# Altium PCB STM32F207VC.PcbDoc (part 1 of 16)
Units mm, origin at the board's own origin, x right, y up, seen from the top; angles counter-clockwise.
Board outline 99.19 x 99.95 mm, 2 copper layers (Top Layer, Bottom Layer); 127 components, 125 nets, 570 pads, 172 vias.
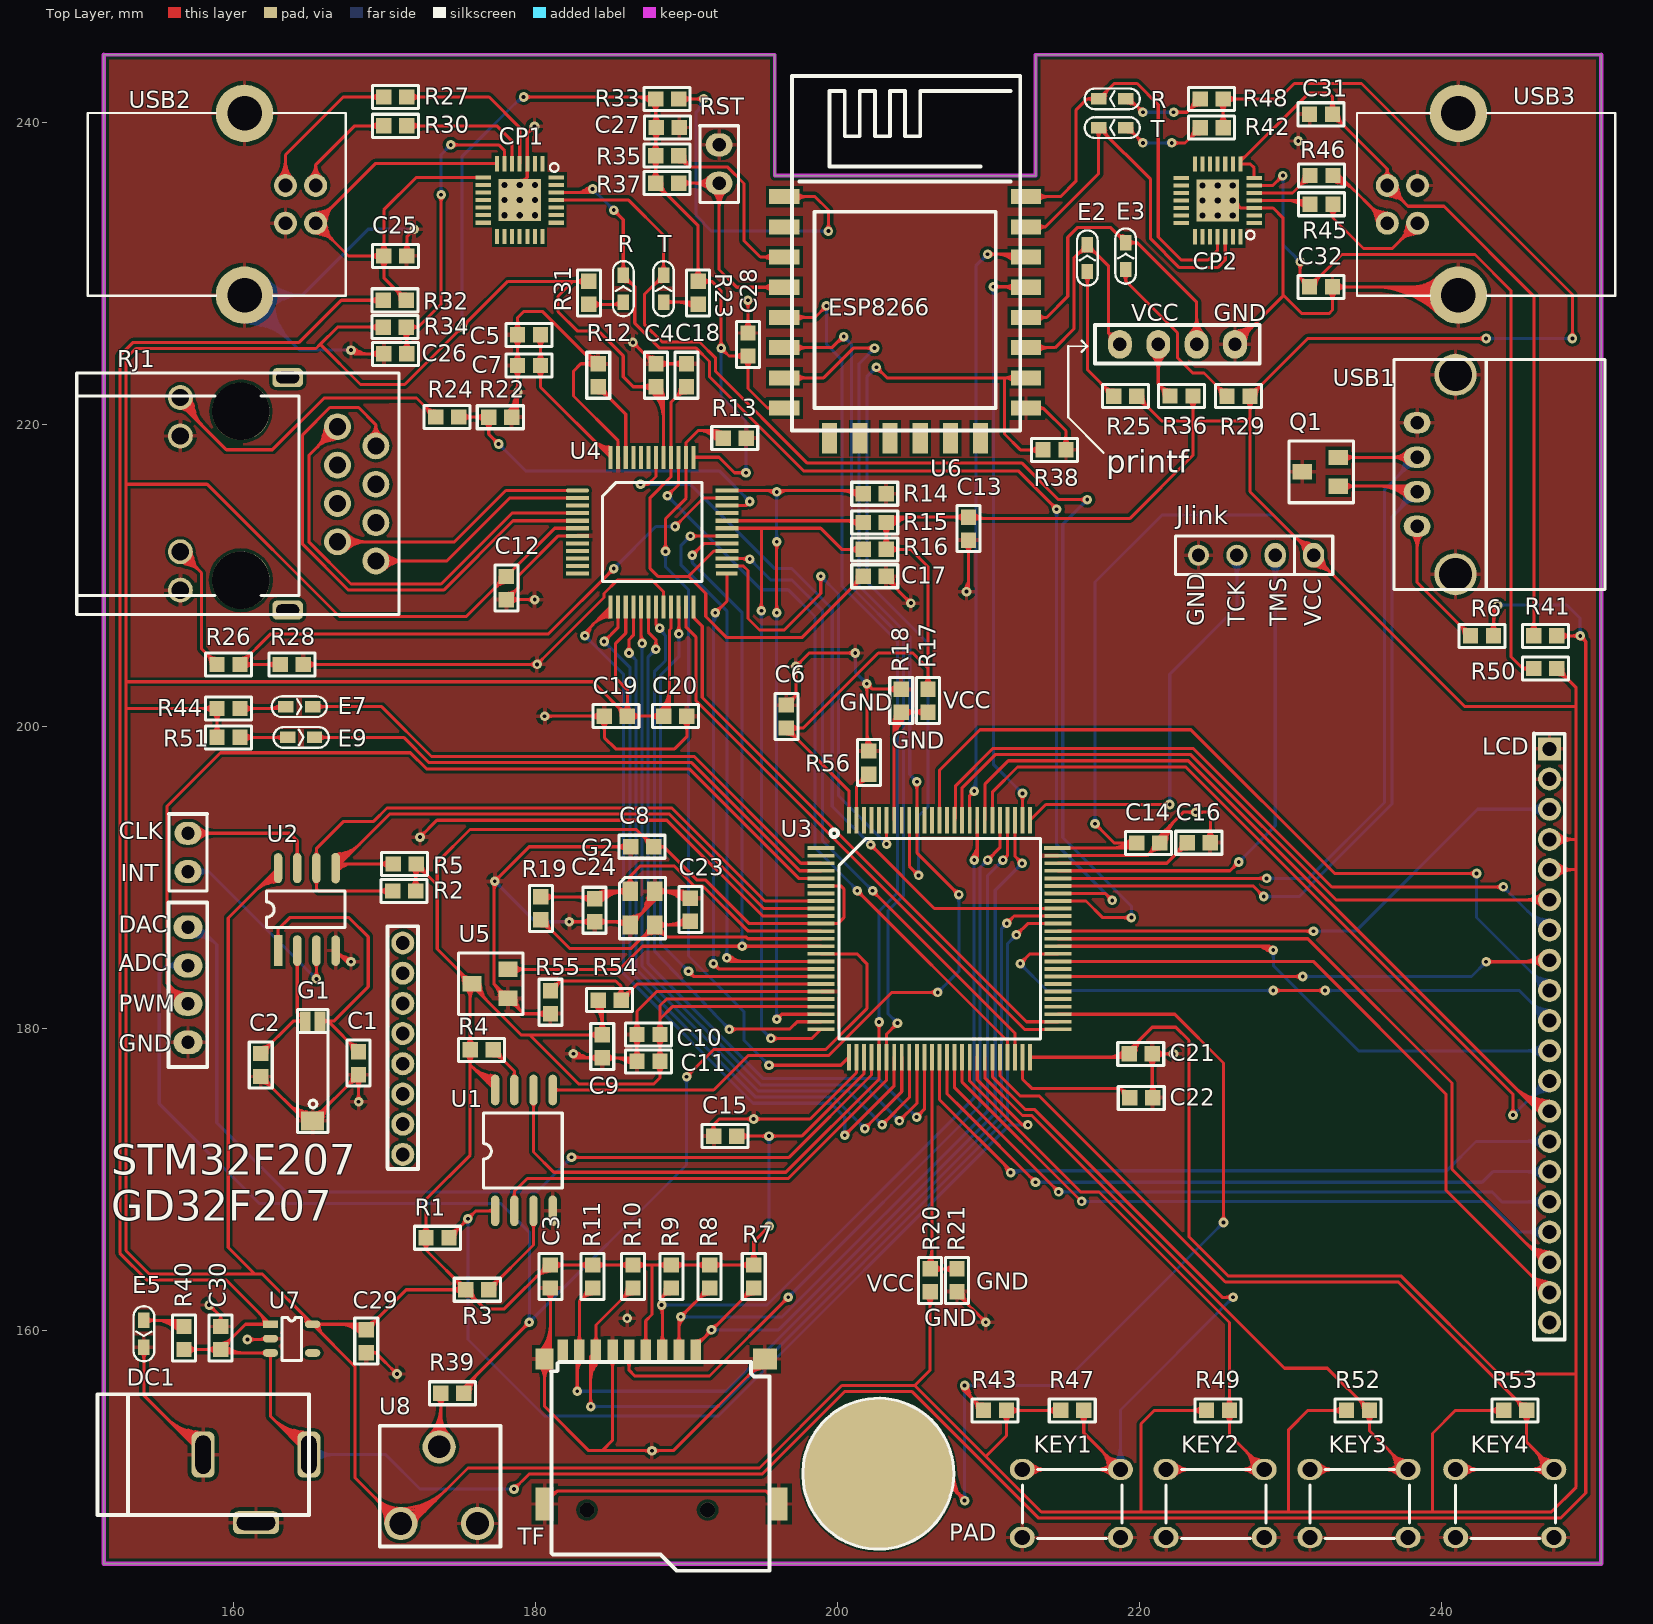
[diagram p0: Top Layer view]
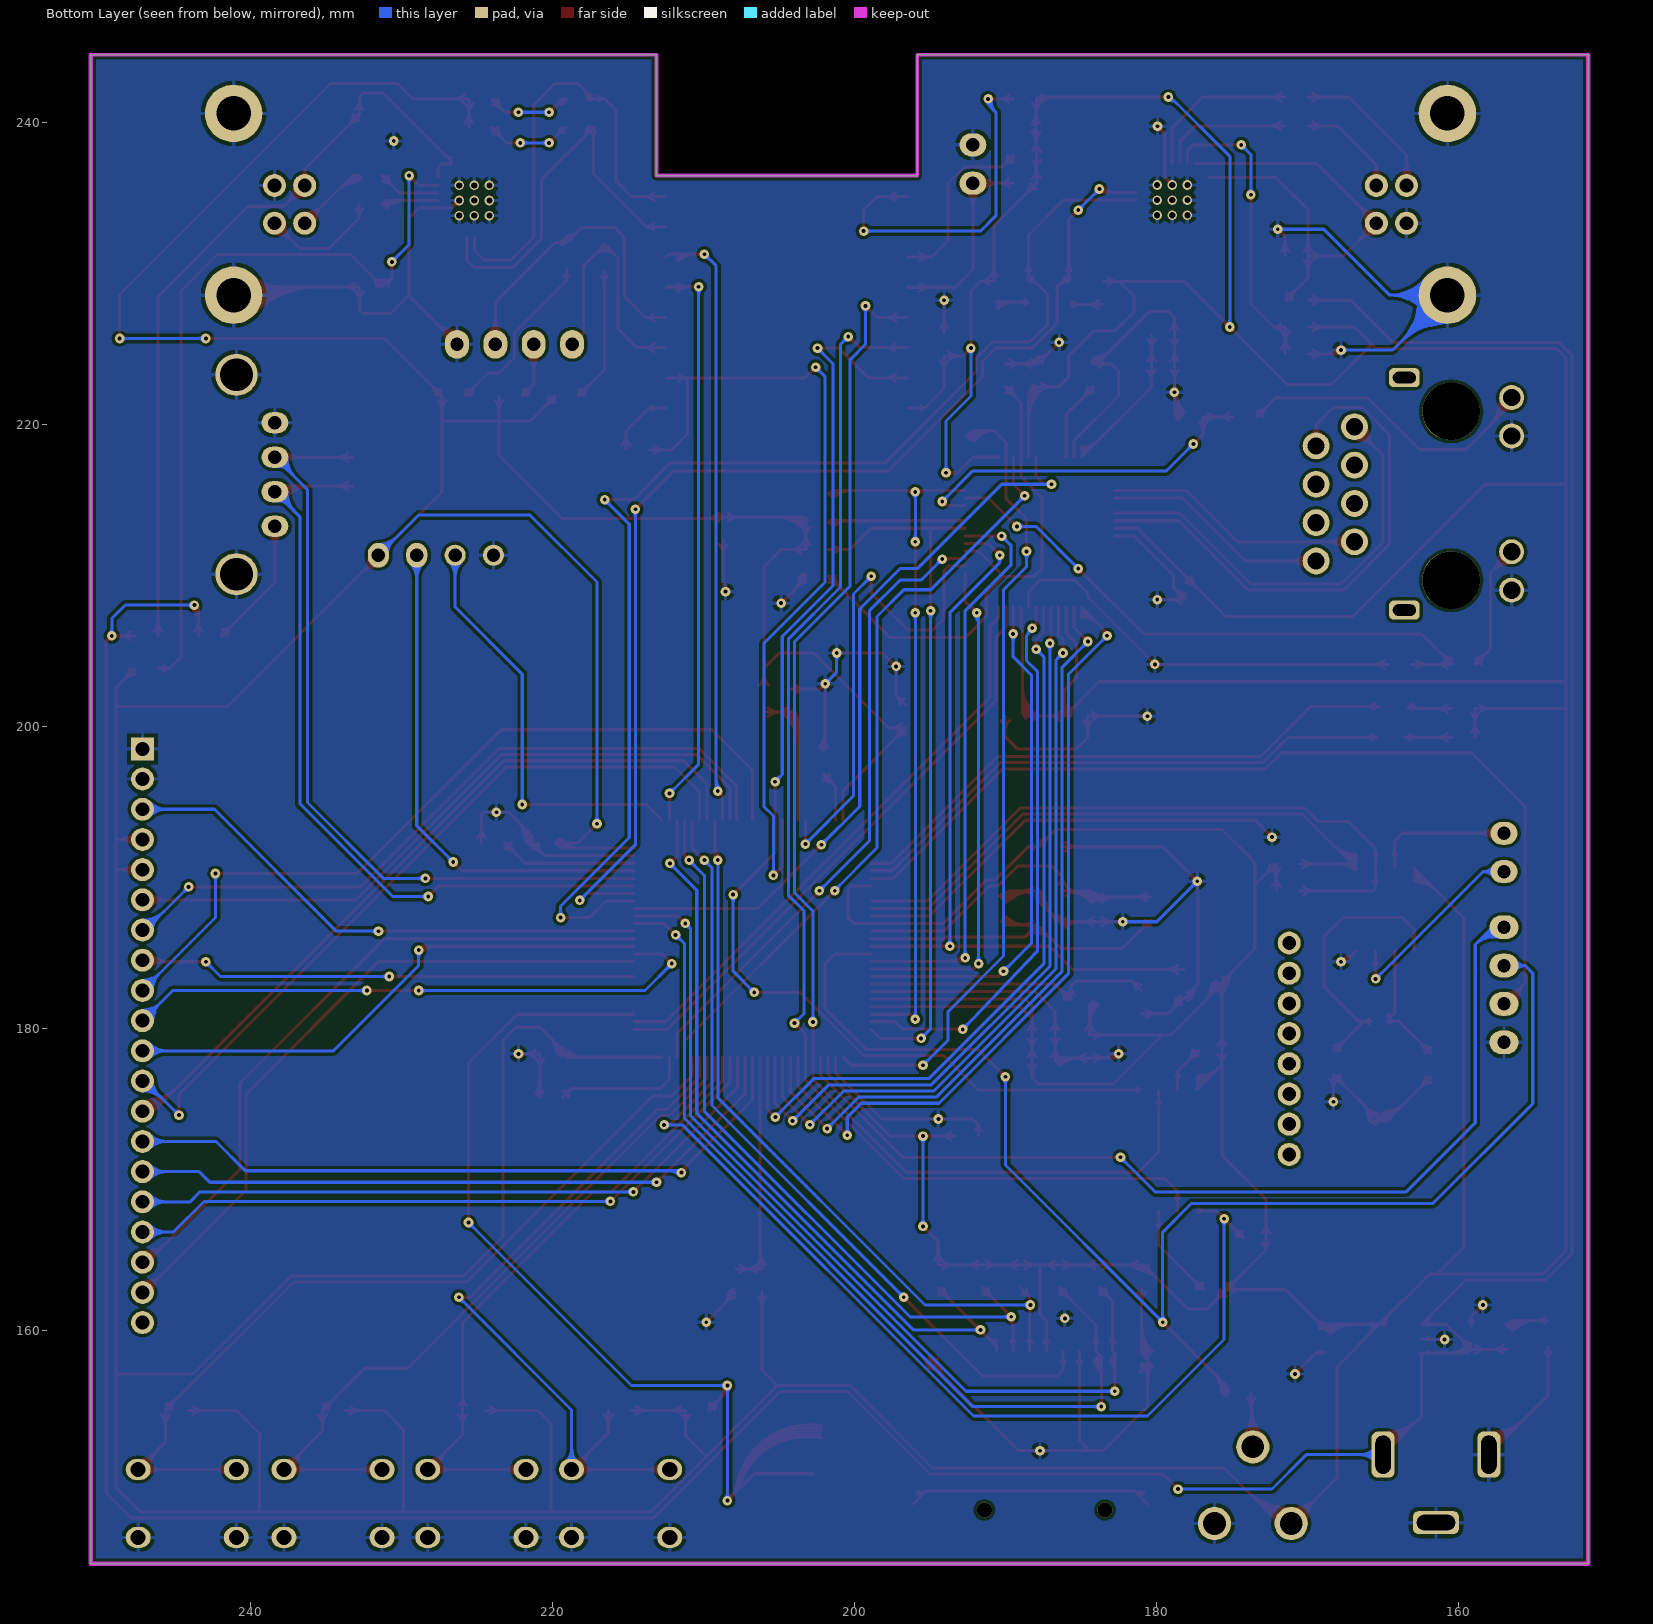
[diagram p1: Bottom Layer view, seen from below]

## Layer stack, top to bottom
Top Solder: solder mask 0.0102, Solder Resist, Dk 3.5
Top Layer: signal copper 0.0356
Dielectric1: dielectric 0.32, FR-4, Dk 4.8
Bottom Layer: signal copper 0.0356
Bottom Solder: solder mask 0.0102, Solder Resist, Dk 3.5

## Board outline
151.384,144.526 151.384,244.475 195.834,244.475 195.834,236.474 213.106,236.474 213.106,244.475 250.571,244.475 250.571,144.526

## Design rules (kind name [scope] priority, off if disabled: settings)
Clearance [All] p1: gap=0.203 ignorepadtopadclearanceinfootprint=FALSE except(0: Arc-Hole Track-Hole SMDPad-Hole THPad-Hole Via-Hole Fill-Hole Poly-Hole Region-Hole Text-Hole)
PolygonConnect [All] p1: connectstyle=Relief reliefconductorwidth=0.254 reliefentries=4 polygonreliefangle="90 Angle" airgapwidth=0.254
RoutingVias [All] p1: holewidth=0.2 width=0.5 viastyle="Through Hole" minholewidth=0.711 minwidth=1.27 maxholewidth=0.711 maxwidth=1.27
SolderMaskExpansion [All] p1: expansion=0.102 istentingtop=FALSE
Width [All] p1: maxlimit=0.203 minlimit=0.203 preferedwidth=0.203
30 further rules are at their usual default settings.

## Classes and differential pairs
component class STM32F207-Board: C1 C2 C3 C4 C5 C6 C7 C8 C9 C10 C11 C12 C13 C14 C15 C16 C17 C18 C19 C20 C22 C23 C24 C25 C26 C27 C28 C29 C30 C31 C32 CLK CP1 CP2 DAC DC1 E2 E3 E5 E7 E9 G1 G2 Jlink KEY1 KEY2 KEY3 KEY4 LCD PAD printf Q1 R R1 R2 R3 R4 R5 R6 R7 R8 R9 R10 R11 R12 R13 R14 R15 R16 R17 R18 R19 R20 R21 R22 R23 R24 R25 R26 R27 R28 R29 R30 R31 R32 R33 R34 R35 R36 R37 R38 R39 R40 R41 R42 R43 R44 R45 R46 R47 R48 R49 R50 R51 R53 RJ1 RST T TF U1 U2 U3 U4 U5 U6 U7 U8 USB1 USB2 USB3

## Components (designator, comment, footprint, x,y, rotation, side; value= is the part's Value field where it differs from the comment)
C1 "15P" 0603 168.275,178.435 r270 top
C2 "15P" 0603 161.798,178.308 r270 top
C3 "104" 0603 180.975,164.303 r270 top
C4 "104" 0603 187.96,222.504 r90 top
C5 "104" 0603 178.816,225.933 r0 top
C6 "4.7u" 0603 196.596,199.898 r90 top
C7 "104" 0603 178.816,223.901 r0 top
C8 "104" 0603 186.309,192.024 r0 top
C9 "104" 0603 184.404,178.054 r90 top
C10 "105" 0603 188.214,179.578 r180 top
C11 "104" 0603 188.214,177.8 r180 top
C12 "104" 0603 178.054,208.407 r90 top
C13 "104" 0603 208.661,212.344 r90 top
C14 "104" 0603 219.837,192.278 r0 top
C15 "104" 0603 193.294,172.847 r180 top
C16 "2.2u" 0603 224.663,192.278 r180 top
C17 "104" 0603 203.2,209.931 r180 top
C18 "104" 0603 189.992,223.993 r270 top
C19 "104" 0603 186.055,200.66 r180 top
C20 "104" 0603 189.992,200.66 r180 top
C21 "104" 0603 219.329,178.308 r0 top
C22 "2.2u" 0603 220.853,175.387 r180 top
C23 "18pF" 0603 190.246,188.595 r270 top
C24 "18pF" 0603 183.896,187.071 r90 top
C25 "104" 0603 171.45,231.14 r180 top
C26 "104" 0603 171.45,224.663 r180 top
C27 "104" 0603 189.484,239.649 r180 top
C28 "104" 0603 194.056,224.536 r90 top
C29 "10uF" 0603 168.783,160.02 r270 top
C30 "10uF" 0603 159.131,158.742 r90 top
C31 "104" 0603 231.267,240.538 r0 top
C32 "104" 0603 231.267,229.108 r0 top
CLK "CON2" 2PIN 156.972,190.373 r90 top (schematic designator CON1)
CP1 "CP2102" QFN28 178.943,234.848 r270 top
CP2 "CP2102" QFN28 225.171,234.823 r180 top
DAC "CON4" "4 pin" 156.972,179.07 r90 top (schematic designator 1)
DC1 "DC5" DC5 164.973,151.765 r0 top
E2 "LED" LED_0603L 216.535,229.87 r90 top
E3 "LED" LED_0603L 219.075,229.997 r90 top
E5 "LED" LED_0603L 154.051,160.909 r270 top
E7 "LED" LED_0603L 163.195,201.295 r0 top
E9 "LED" LED_0603L 163.322,199.263 r0 top
G1 "32.768K" XTAL3X8 165.227,177.165 r0 top
G2 "25MHz(无源贴片)" G3225 187.071,187.96 r270 top
Jlink "JLINK-SWD" Jlink-SWD 231.521,211.328 r180 top (schematic designator Jlink1)
KEY1 "KEY" KEY 212.217,150.749 r0 top
KEY2 "KEY" KEY 221.742,150.749 r0 top
KEY3 "KEY" KEY 231.267,150.749 r0 top
KEY4 "KEY" KEY 240.919,150.749 r0 top
LCD "LMT028" "2.0 PIN" 247.147,186.505 r270 top (schematic designator P1)
PAD "PAD" PAD 202.692,150.495 r0 top (schematic designator U9)
printf "CON4" "4 pin" 218.694,225.298 r0 top (schematic designator CON2)
Q1 "ESD" SOT32-809 233.172,217.805 r180 top
R "LED" LED_0603L 185.801,227.838 r90 top (schematic designator E4)
R "LED" LED_0603L 219.329,241.554 r180 top (schematic designator E8)
R1 "1K" 0603 174.244,166.116 r180 top
R2 "1k" 0603 170.544,189.097 r0 top
R3 "1K" 0603 175.387,162.687 r0 top
R4 "1K" 0603 177.165,178.562 r180 top
R5 "1k" 0603 172.068,190.875 r180 top
R6 "0" 0603 241.935,205.994 r0 top
R7 "47K" 0603 194.437,162.814 r90 top
R8 "47K" 0603 191.516,162.814 r90 top
R9 "47K" 0603 188.976,162.814 r90 top
R10 "47K" 0603 186.436,162.814 r90 top
R11 "47K" 0603 183.769,162.814 r90 top
R12 "2.49K" 0603 184.15,223.993 r270 top
R13 "4.7K" 0603 193.929,219.075 r180 top
R14 "4.7K" 0603 203.2,215.392 r180 top
R15 "4.7K" 0603 203.2,213.487 r180 top
R16 "1.5K" 0603 203.2,211.709 r180 top
R17 "0" 0603 205.994,202.438 r270 top
R18 "0" 0603 204.216,202.438 r270 top
R19 "1M" 0603 180.34,187.198 r90 top
R20 "0" 0603 206.121,162.56 r90 top
R21 "0" 0603 207.899,162.56 r90 top
R22 "1K" 0603 176.911,220.472 r0 top
R23 "1K" 0603 190.754,227.957 r90 top
R24 "500R" 0603 174.879,220.472 r180 top
R25 "1K" 0603 218.313,221.869 r0 top
R26 "500R" 0603 160.401,204.089 r180 top
R27 "22" 0603 169.961,241.681 r0 top
R28 "1K" 0603 164.592,204.089 r180 top
R29 "1K" 0603 225.806,221.869 r0 top
R30 "22" 0603 169.961,239.776 r0 top
R31 "1K" 0603 183.515,227.957 r90 top
R32 "0" 0603 169.926,228.219 r0 top
R33 "10K" 0603 187.96,241.554 r0 top
R34 "0" 0603 169.926,226.441 r0 top
R35 "10K" 0603 187.96,237.798 r0 top
R36 "1K" 0603 223.52,221.869 r180 top
R37 "1K" 0603 189.449,235.966 r180 top
R38 "1K" 0603 213.614,218.313 r0 top
R39 "0" 0603 173.736,155.829 r0 top
R40 "1K" 0603 156.718,160.231 r270 top
R41 "0" 0603 246.126,205.994 r0 top
R42 "1K" 0603 224.028,239.649 r0 top
R43 "1K" 0603 209.677,154.698 r0 top
R44 "1k" 0603 160.401,201.168 r180 top
R45 "22" 0603 232.791,234.569 r180 top
R46 "22" 0603 232.791,236.474 r180 top
R47 "1k" 0603 216.281,154.686 r180 top
R48 "1K" 0603 224.028,241.554 r0 top
R49 "1k" 0603 225.933,154.686 r180 top
R50 "0" 0603 246.126,203.835 r0 top
R51 "1k" 0603 160.401,199.263 r180 top
R52 "1k" 0603 235.204,154.686 r180 top
R53 "1k" 0603 245.618,154.686 r180 top
R54 "0" 0603 184.15,181.864 r0 top
R55 "0" 0603 180.975,180.975 r90 top
R56 "0" 0603 202.057,196.85 r90 top
RJ1 "RJ45" RJ45 162.941,215.392 r0 top
RST "CON2" 2PIN 192.151,235.966 r90 top (schematic designator CON3)
T "LED" LED_0603L 188.468,227.838 r90 top (schematic designator E1)
T "LED" LED_0603L 219.329,239.649 r180 top (schematic designator E6)
TF "TF" TF 188.341,153.543 r270 top (schematic designator TF1)
U1 "SST25VF016B" SOW8 177.292,167.894 r90 top
U2 "PCF8563" SO8 162.941,185.166 r90 top
U3 "STM32F207VCT6" LQFP-100 206.756,185.928 r0 top
U4 "RTL8201EL" RTL8201EL-LQFP48 187.706,212.852 r0 top
U5 "MAX809" SOT32-809 178.181,183.896 r180 top
U6 "ESP8266MOD" ESP8266MOD 204.47,227.076 r0 top
U7 "SPX3819" SOT-23-5 162.433,160.394 r0 top
U8 "R-C" R-CHANGE 171.069,147.193 r0 top
USB1 "USB" USB-TA 238.379,216.662 r90 top
USB2 "USB" USB-TB 158.877,234.569 r270 top
USB3 "USB" USB-TB 242.951,234.569 r90 top

## Footprints (in the part's own frame and the unit in brackets; to place one, negate y for a bottom-side part, rotate by r counter-clockwise, add the part's x,y. Pads: shape width x height; smd on the part's side, far side on the other; paste and mask are expansions set on the pad)
"2.0 PIN" [mil] "2.0mm排针"
  rect 60x60 hole 36: 1(-472.3,-0.2)
  round 60 hole 36: 2(-393.7,0) 3(-314.9,0) 4(-236.2,0) 5(-157.4,0) 6(-78.7,0) 7(0,0) 8(78.8,0) 9(157.5,0) 10(236.3,0) 11(315,0) 12(393.7,0) 13(472.5,0) 14(551.2,0) 15(630,0) 16(708.7,0) 17(787.4,0) 18(866.3,-0.2) 19(945,-0.2) 20(1023.7,0) 21(33.8,-2990) 22(112.5,-2990) 23(191.3,-2990) 24(270,-2990) 25(348.7,-2990) 26(427.5,-2990) 27(506.2,-2990) 28(585,-2990)
  silkscreen extent -512,-3030 1068,40, body extent -522,-3040 1074,50, height 335
2PIN [mil] "2pin"
  oval 60x70 hole 35: 1(0,0) 2(100,0)
  silkscreen extent -50,-50 150,50, body extent -50,-55 150,45, height 336
"4 pin" [mil] "4 pin 传感器"
  oval 62x75 hole 35: 1(0,0) 2(100,0) 3(200,0) 4(300,0)
  silkscreen extent -65,-50 365,50, body extent -45,-55 355,45, height 453
0603 [mil] "0603封装"
  rect 40x40 smd: 1(-0.68,-0.23) 2(59.32,-0.23)
  silkscreen extent -31,-30 89,30, body extent -1,-16 62,16, height 18
DC5 [mil] "DC5电源插座"
  rrect50% 60x120 hole 40 slot 100 at 90 deg: 1(0.16,-0.26) 3(-275.43,-0.26)
  rrect50% 120x60 hole 40 slot 100 at 0 deg: 2(-137.63,-177.42)
  silkscreen extent -551,-158 0,157, body extent -558,-197 12,176, height 440
ESP8266MOD [mm]
  rect 2x1 smd: 1(-8.002,8) 2(-8.002,6) 3(-8.002,4.001) 4(-8.002,2.001) 5(-8.002,0) 6(-8.002,-1.999) 7(-8.002,-3.999) 8(-8.001,-5.999) 15(7.999,-6.005) 16(8,-4.001) 17(8.002,-2.003) 18(8.001,-0.002) 19(8,1.998) 20(8.001,3.998) 21(8,5.998) 22(8.001,7.998)
  rect 1x2 smd: 9(-5,-8) 10(-3.002,-7.999) 11(-1.003,-7.999) 12(0.998,-7.999) 13(2.997,-7.999) 14(4.997,-8)
  silkscreen extent -7.49,-7.49 7.62,16, body extent -8.01,-7.69 8,16.32, height 2.65
G3225 [mil] "3225贴片晶振"
  rect 50x40 smd: 1(-44,-32) 2(44,-32) 3(44,32) 4(-44,32)
  silkscreen extent -80,-60 80,60, body extent -63,-49 63,49, height 32
Jlink-SWD [mil] "Jlink下载接口"
  oval 55x65 hole 35: 1(0,0) 2(100,0)
  round 55 hole 35: 3(200,0) 4(300,0)
  silkscreen extent -50,-50 360,50, body extent -45,-55 355,45, height 453
KEY [mm] "四脚按键"
  oval 1.654x1.4 hole 1: 1(6.512,0.025) 2(0.012,0.025) 3(0.012,-4.475) 4(6.512,-4.475)
  silkscreen extent 0.01,-4.55 6.62,0.03, body extent -0.8,-5.29 7.41,0.71, height 4.95
LED_0603L [mil] "LED"
  rect 40x30 smd: 1(10,0) 2(80,0)
  silkscreen extent -27,-27 117,27, body extent 14,-16 77,16, height 24
LQFP-100 [mil]
  rect 70x10 smd: 1(-309.5,236.22) 2(-309.5,216.53) 3(-309.5,196.85) 4(-309.5,177.16) 5(-309.5,157.48) 6(-309.5,137.79) 7(-309.5,118.11) 8(-309.5,98.42) 9(-309.5,78.74) 10(-309.5,59.05) 11(-309.5,39.37) 12(-309.5,19.68) 13(-309.5,0) 14(-309.5,-19.69) 15(-309.5,-39.37) 16(-309.5,-59.06) 17(-309.5,-78.74) 18(-309.5,-98.43) 19(-309.5,-118.11) 20(-309.5,-137.8) 21(-309.5,-157.48) 22(-309.5,-177.17) 23(-309.5,-196.85) 24(-309.5,-216.54) 25(-309.5,-236.22) 51(308.61,-236.22) 52(308.61,-216.54) 53(308.61,-196.85) 54(308.61,-177.17) 55(308.61,-157.48) 56(308.61,-137.8) 57(308.61,-118.11) 58(308.61,-98.43) 59(308.61,-78.74) 60(308.61,-59.06) 61(308.61,-39.37) 62(308.61,-19.69) 63(308.61,0) 64(308.61,19.68) 65(308.61,39.37) 66(308.61,59.05) 67(308.61,78.74) 68(308.61,98.42) 69(308.61,118.11) 70(308.61,137.79) 71(308.61,157.48) 72(308.61,177.16) 73(308.61,196.85) 74(308.61,216.53)
  rect 10x70 smd: 26(-236.67,-309.06) 27(-216.98,-309.06) 28(-197.3,-309.06) 29(-177.61,-309.06) 30(-157.93,-309.06) 31(-138.24,-309.06) 32(-118.56,-309.06) 33(-98.87,-309.06) 34(-79.19,-309.06) 35(-59.5,-309.06) 36(-39.81,-309.06) 37(-20.13,-309.06) 38(-0.44,-309.06) 39(19.24,-309.06) 40(38.93,-309.06) 41(58.61,-309.06) 42(78.3,-309.06) 43(97.98,-309.06) 44(117.67,-309.06) 45(137.35,-309.06) 46(157.03,-309.06) 47(176.72,-309.06) 48(196.41,-309.06) 49(216.09,-309.06) 50(235.77,-309.06) 76(235.78,309.05) 77(216.09,309.05) 78(196.41,309.05) 79(176.72,309.05) 80(157.04,309.05) 81(137.35,309.05) 82(117.67,309.05) 83(97.98,309.05) 84(78.3,309.05) 85(58.61,309.05) 86(38.93,309.05) 87(19.24,309.05) 88(-0.44,309.05) 89(-20.13,309.05) 90(-39.81,309.05) 91(-59.5,309.05) 92(-79.18,309.05) 93(-98.87,309.05) 94(-118.55,309.05) 95(-138.24,309.05) 96(-157.93,309.05) 97(-177.61,309.05) 98(-197.3,309.05) 99(-216.98,309.05) 100(-236.66,309.05)
  rect 68x10 smd: 75(306.61,236.22)
  silkscreen extent -285,-261 263,285, body extent -315,-315 315,315, height 57
PAD [mm] "触摸"
  round 10 smd: 1(0,0)
  silkscreen extent -5,-5 5,5
QFN28 [mil] "QFN28"
  rect 40x10.5 smd: 1(-95,59.06) 2(-95,39.37) 3(-95,19.69) 4(-95,0) 5(-95,-19.69) 6(-95,-39.37) 7(-95,-59.06) 15(95,59.06) 16(95,39.37) 17(95,19.69) 18(95,0) 19(95,-19.69) 20(95,-39.37) 21(95,-59.06)
  rect 110x110 smd: 3(0,0)
  rect 10.5x40 smd: 8(-59.06,-95) 9(-39.37,-95) 10(-19.68,-95) 11(0,-95) 12(19.69,-95) 13(39.37,-95) 14(59.06,-95) 22(59.06,95) 23(39.37,95) 24(19.69,95) 25(0,95) 26(-19.68,95) 27(-39.37,95) 28(-59.06,95)
  silkscreen extent -96,79 -74,101, body extent -118,-120 118,116, height 40
R-CHANGE [mm] "滑动变阻器"
  round 2.2 hole 1.5: 1(0,0) 2(2.54,5.08) 3(5.08,0)
  silkscreen extent -1.4,-1.52 6.6,6.48, body extent -0.71,-1.15 5.79,6.1, height 7.7
RJ45 [mil] "RJ45"
  round 150 hole 150: 0(-97.08,-225) 0(-97.08,215)
  round 70 hole 45: 1(154.92,175) 2(254.92,125) 3(154.92,75) 4(254.92,25) 5(154.92,-25) 6(254.92,-75) 7(154.92,-125) 8(254.92,-175)
  round 65 hole 45: 9(-254.92,251.02) 10(-254.92,151.02) 11(-254.92,-151.02) 12(-254.92,-251.02)
  rrect50% 80x50 hole 30 slot 60 at 0 deg: 13(24.92,-303) 14(24.92,303)
  silkscreen extent -525,-315 315,315, body extent -527,-310 316,315, height 531
RTL8201EL-LQFP48 [mm]
  oval 1.524x0.27 smd: 1(-4.944,2.76)
  rect 1.524x0.27 smd: 2(-4.944,2.26) 3(-4.944,1.76) 4(-4.944,1.26) 5(-4.944,0.76) 6(-4.944,0.26) 7(-4.944,-0.24) 8(-4.944,-0.74) 9(-4.944,-1.24) 10(-4.944,-1.74) 11(-4.944,-2.24) 12(-4.944,-2.74) 26(4.962,-2.24) 27(4.962,-1.74) 28(4.962,-1.24) 29(4.962,-0.74) 30(4.962,-0.24) 31(4.962,0.26) 32(4.962,0.76) 33(4.962,1.26) 34(4.962,1.76) 35(4.962,2.26) 36(4.962,2.76)
  rect 0.27x1.524 smd: 13(-2.741,-4.943) 14(-2.241,-4.943) 15(-1.741,-4.943) 16(-1.241,-4.943) 17(-0.741,-4.943) 18(-0.241,-4.943) 19(0.259,-4.943) 20(0.759,-4.943) 21(1.259,-4.943) 22(1.759,-4.943) 23(2.259,-4.943) 24(2.759,-4.943) 37(2.759,4.963) 38(2.259,4.963) 39(1.759,4.963) 40(1.259,4.963) 41(0.759,4.963) 42(0.259,4.963) 43(-0.241,4.963) 44(-0.741,4.963) 45(-1.241,4.963) 46(-1.741,4.963) 47(-2.241,4.963) 48(-2.741,4.963)
  rect 1.422x0.27 smd: 25(4.962,-2.74)
  silkscreen extent -3.28,-3.28 3.3,3.3, body extent -4.5,-4.56 4.5,4.44, height 1.45
SO8 [mil] "485和RTC"
  rect 80x22 smd: 1(-0.88,0.16)
  oval 80x22 smd: 2(-0.88,-49.84) 3(-0.88,-99.84) 4(-0.88,-149.84) 5(214.12,-149.84)
  oval 78x22 smd: 6(214.12,-99.84) 7(214.12,-49.84) 8(214.12,0.16)
  silkscreen extent 59,-175 154,30, body extent -8,-178 228,18, height 75
SOT32-809 [mil] "ESD"
  rect 50x40 smd: 1(0.52,74.8) 2(0.52,0) 3(94.43,37.4)
  silkscreen extent -39,-43 129,118, body extent 5,-24 96,94, height 28
SOT-23-5 [mil] "SPX3819"
  rect 40x20 smd: 1(0,0)
  oval 40x20 smd: 2(0,-37.4) 3(0,-74.8) 4(110,-74.8) 5(110,0)
  silkscreen extent 30,-94 81,18, body extent -13,-100 125,18, height 43
SOW8 [mil] "flash封装"
  oval 80x22 smd: 1(0.56,-0.94) 2(0.56,-50.94) 3(0.56,-100.94) 4(0.56,-150.94) 5(315.56,-150.94) 6(315.56,-100.94) 7(315.56,-50.94) 8(315.56,-0.94)
  silkscreen extent 61,-176 256,29, body extent 15,-177 299,20, height 83
TF [mm] "TF卡"
  rect 1.6x0.7 smd: 1(-5.05,2.25) 2(-5.05,1.15) 3(-5.05,0.05) 4(-5.05,-1.05) 5(-5.05,-2.15) 6(-5.05,-3.25) 7(-5.05,-4.35) 8(-5.05,-5.45) 9(-5.05,-6.55)
  rect 1.4x1.2 smd: 10(-4.55,-7.75)
  rect 2.2x1.2 smd: 11(5.05,-7.75) 12(5.05,7.75)
  rect 1.4x1.6 smd: 13(-4.55,6.85)
  Top Layer lines w0.254: -3.738,-7.344 -3.688,-7.293
  silkscreen extent -4.35,-7.34 9.47,7.15, body extent -5.46,-8.28 9.75,8.03, height 1.97
USB-TA [mil] "USB2.0 Type-A接口"
  oval 55x70 hole 35: 1(-134.51,0.1) 2(-44.51,0.1) 3(45.49,0.1) 4(135.49,0.1)
  round 110 hole 85: 5(260.49,-100.15) 6(-259.51,-100.15)
  silkscreen extent -300,-490 300,60, body extent -311,-499 311,40, height 274
USB-TB [mil] "USB2.0 Type-B接口"
  round 60 hole 36: 1(49.21,257.87) 2(-49.22,257.87) 3(-49.22,179.13) 4(49.21,179.13)
  round 150 hole 90: 5(-237.01,72.44) 6(237.01,72.44)
  silkscreen extent -238,-337 238,337, body extent -293,-315 290,335, height 433
XTAL3X8 [mil] "RTC晶振"
  rect 28x50 smd: 1(-19,130) 2(19,130)
  rect 60x50 smd: 3(0,-130)
  silkscreen extent -40,-160 40,160, body extent -30,-148 29,148, height 39

## Part data
C1 C2 C3 C4 C5 C7 C12 C13 C17 C18 C19 C20 C25 C26 C27 C28 C29 C30 C31 C32: library part "CAP Nonpolarity", "无极电容"
C6 C8 C9 C10 C11 C14 C15 C16 C21 C22: library part CAP, "贴片电容"
C23 C24: library part CAP, "无极电容"
CLK RST: "2pin"
CP1 CP2: "usb转usart"
DAC printf: "4 Pin"
E2 E3 E5 E7 E9 R R T T: "LED灯"
G1: library part CRYSTAL, "RTC晶振"
G2: library part MM-11B, "无源晶振MCU使用"
Jlink: "SWD下载接口"
KEY1 KEY2 KEY3 KEY4: "四脚按钮"
LCD: library part "Header 20", "8位LCD"
PAD: "触摸"
Q1: "PESD1CAN"
R1 R2 R3 R4 R5 R6 R7 R8 R9 R10 R11 R12 R13 R14 R15 R16 R17 R18 R19 R20 R21 R22 R23 R24 R25 R26 R27 R28 R29 R30 R31 R32 R33 R34 R35 R36 R37 R38 R39 R40 R41 R42 R43 R44 R45 R46 R47 R48 R49 R50 R51 R52 R53 R54 R55 R56: library part R, "电阻"
TF: "TF卡"
U1: library part SST25VF080B, "串行Flash"
U2: "RTC芯片"
U3: library part STM32F207-1
U5: "复位IC"
U6: library part ESP8266
U7: "稳压器"
U8: library part R-change, "滑动变阻器"

## Via types
v1: diameter 0.635, hole 0.254, Top Layer to Bottom Layer, tented both sides, 152 vias
v2: diameter 0.635, hole 0.406, Top Layer to Bottom Layer, 18 vias
v3: diameter 1, hole 1, Top Layer to Bottom Layer, 2 vias

## Nets (pads, with @x,y where several pads share a name; then routed paths per layer and width w, separated by ;. In a path a pad name is that pad's centre, name@x,y a point inside that pad or via, vN(x,y) a via of type N, cw(c..) or ccw(c..) an arc to the next point about the centre after c; other vN are vias at no path point)
ADC_IN: DAC.3 R39.2 U3.15 | length 149.3
  Top Layer w0.203: R39.2@175.243,156.193 v1(179.578,160.528) ; 175.504,156.454 ccw(c176.135,155.823) R39.2@175.243,155.823 ; v1(189.992,176.784) 191.795,178.587 199.222,178.587 201.93,181.296 201.93,184.277 201.279,184.928 U3.15@198.895,184.928 ; R39.2@175.18,156.016 ccw(c174.973,156.656) 175.622,156.482 ; R39.2@175.18,156.016 ccw(c174.973,156.656) 175.622,156.482 ; R39.2@175.18,156.016 ccw(c174.973,156.656) 175.622,156.482 ; R39.2@175.243,155.823 ccw(c174.741,156.85) 175.845,156.554 ; R39.2@175.243,155.823 ccw(c174.741,156.85) 175.845,156.554 ; R39.2@175.243,155.823 ccw(c174.741,156.85) 175.845,156.554 ; R39.2@175.243,155.823 ccw(c174.741,156.85) 175.845,156.554 ; R39.2@175.243,155.823 ccw(c174.741,156.85) 175.845,156.554 ; R39.2@175.332,155.64 ccw(c175.001,156.318) R39.2@175.729,156.123 ; R39.2@175.332,155.64 ccw(c175.001,156.318) R39.2@175.729,156.123 ; R39.2@175.332,155.64 ccw(c175.001,156.318) R39.2@175.729,156.123 ; R39.2@175.446,155.823 cw(c176.829,155.823) 175.851,156.801 ; R39.2@175.446,155.823 cw(c176.829,155.823) 175.851,156.801 ; R39.2@175.446,155.823 cw(c176.829,155.823) 175.851,156.801 ; R39.2@175.446,155.823 cw(c176.829,155.823) 175.851,156.801 ; R39.2@175.564,156.262 ccw(c175.864,156.182) R39.2@175.595,156.026 ; R39.2@175.564,156.262 ccw(c175.864,156.182) R39.2@175.595,156.026 ; R39.2@175.564,156.262 ccw(c175.864,156.182) R39.2@175.595,156.026 ; R39.2@175.649,155.823 cw(c177.522,155.823) 176.198,157.148 ; R39.2@175.649,155.823 cw(c177.522,155.823) 176.198,157.148 ; R39.2@175.649,155.823 cw(c177.522,155.823) 176.198,157.148 ; R39.2@175.649,155.823 cw(c177.522,155.823) 176.198,157.148 ; 179.209,160.159 cw(c179.578,159.791) v1@179.578,160.312 ; 179.209,160.159 ccw(c178.841,160.528) v1@179.362,160.528 ; 179.209,160.159 cw(c179.578,159.791) v1@179.578,160.312 ; 179.209,160.159 ccw(c178.841,160.528) v1@179.362,160.528 ; 179.209,160.159 ccw(c178.841,160.528) v1@179.362,160.528 ; 179.209,160.159 cw(c179.578,159.791) v1@179.578,160.312 ; 179.209,160.159 ccw(c178.841,160.528) v1@179.362,160.528 ; 179.209,160.159 cw(c179.578,159.791) v1@179.578,160.312 ; 179.284,160.236 cw(c179.658,160.136) v1@179.581,160.516 ; 179.284,160.236 cw(c179.658,160.136) v1@179.581,160.516 ; 179.284,160.236 cw(c179.658,160.136) v1@179.581,160.516 ; 179.284,160.236 cw(c179.658,160.136) v1@179.581,160.516 ; 179.284,160.236 cw(c179.658,160.136) v1@179.581,160.516 ; 179.284,160.236 cw(c179.658,160.136) v1@179.581,160.516 ; 179.286,160.234 ccw(c179.186,160.608) v1@179.566,160.531 ; 179.286,160.234 ccw(c179.186,160.608) v1@179.566,160.531 ; 179.286,160.234 ccw(c179.186,160.608) v1@179.566,160.531 ; 179.286,160.234 ccw(c179.186,160.608) v1@179.566,160.531 ; 179.286,160.234 ccw(c179.186,160.608) v1@179.566,160.531 ; 179.286,160.234 ccw(c179.186,160.608) v1@179.566,160.531 ; v1@189.989,176.796 ccw(c189.912,177.176) 190.286,177.076 ; v1@189.989,176.796 ccw(c189.912,177.176) 190.286,177.076 ; v1@189.989,176.796 ccw(c189.912,177.176) 190.286,177.076 ; v1@189.989,176.796 ccw(c189.912,177.176) 190.286,177.076 ; v1@189.989,176.796 ccw(c189.912,177.176) 190.286,177.076 ; v1@189.989,176.796 ccw(c189.912,177.176) 190.286,177.076 ; v1@189.992,177 ccw(c189.992,177.521) 190.361,177.153 ; v1@189.992,177 ccw(c189.992,177.521) 190.361,177.153 ; v1@189.992,177 ccw(c189.992,177.521) 190.361,177.153 ; v1@189.992,177 ccw(c189.992,177.521) 190.361,177.153 ; v1@190.004,176.781 cw(c190.384,176.704) 190.284,177.078 ; v1@190.004,176.781 cw(c190.384,176.704) 190.284,177.078 ; v1@190.004,176.781 cw(c190.384,176.704) 190.284,177.078 ; v1@190.004,176.781 cw(c190.384,176.704) 190.284,177.078 ; v1@190.004,176.781 cw(c190.384,176.704) 190.284,177.078 ; v1@190.004,176.781 cw(c190.384,176.704) 190.284,177.078 ; v1@190.208,176.784 cw(c190.729,176.784) 190.361,177.153 ; v1@190.208,176.784 cw(c190.729,176.784) 190.361,177.153 ; v1@190.208,176.784 cw(c190.729,176.784) 190.361,177.153 ; v1@190.208,176.784 cw(c190.729,176.784) 190.361,177.153